# Altium PCB Archimajor.PcbDoc (part 5 of 13)
Units mil, origin at the board's own origin, x right, y up, seen from the top; angles counter-clockwise.
Board outline 7480.32 x 5511.81 mil, 6 copper layers (Top Layer, Top GND, Power Plane, Mid1, Bot GND, Bottom Layer), stack 69.913 mil thick; 1038 components, 682 nets, 3229 pads, 2870 vias.
Unrouted connection lines stored in the file: 97.
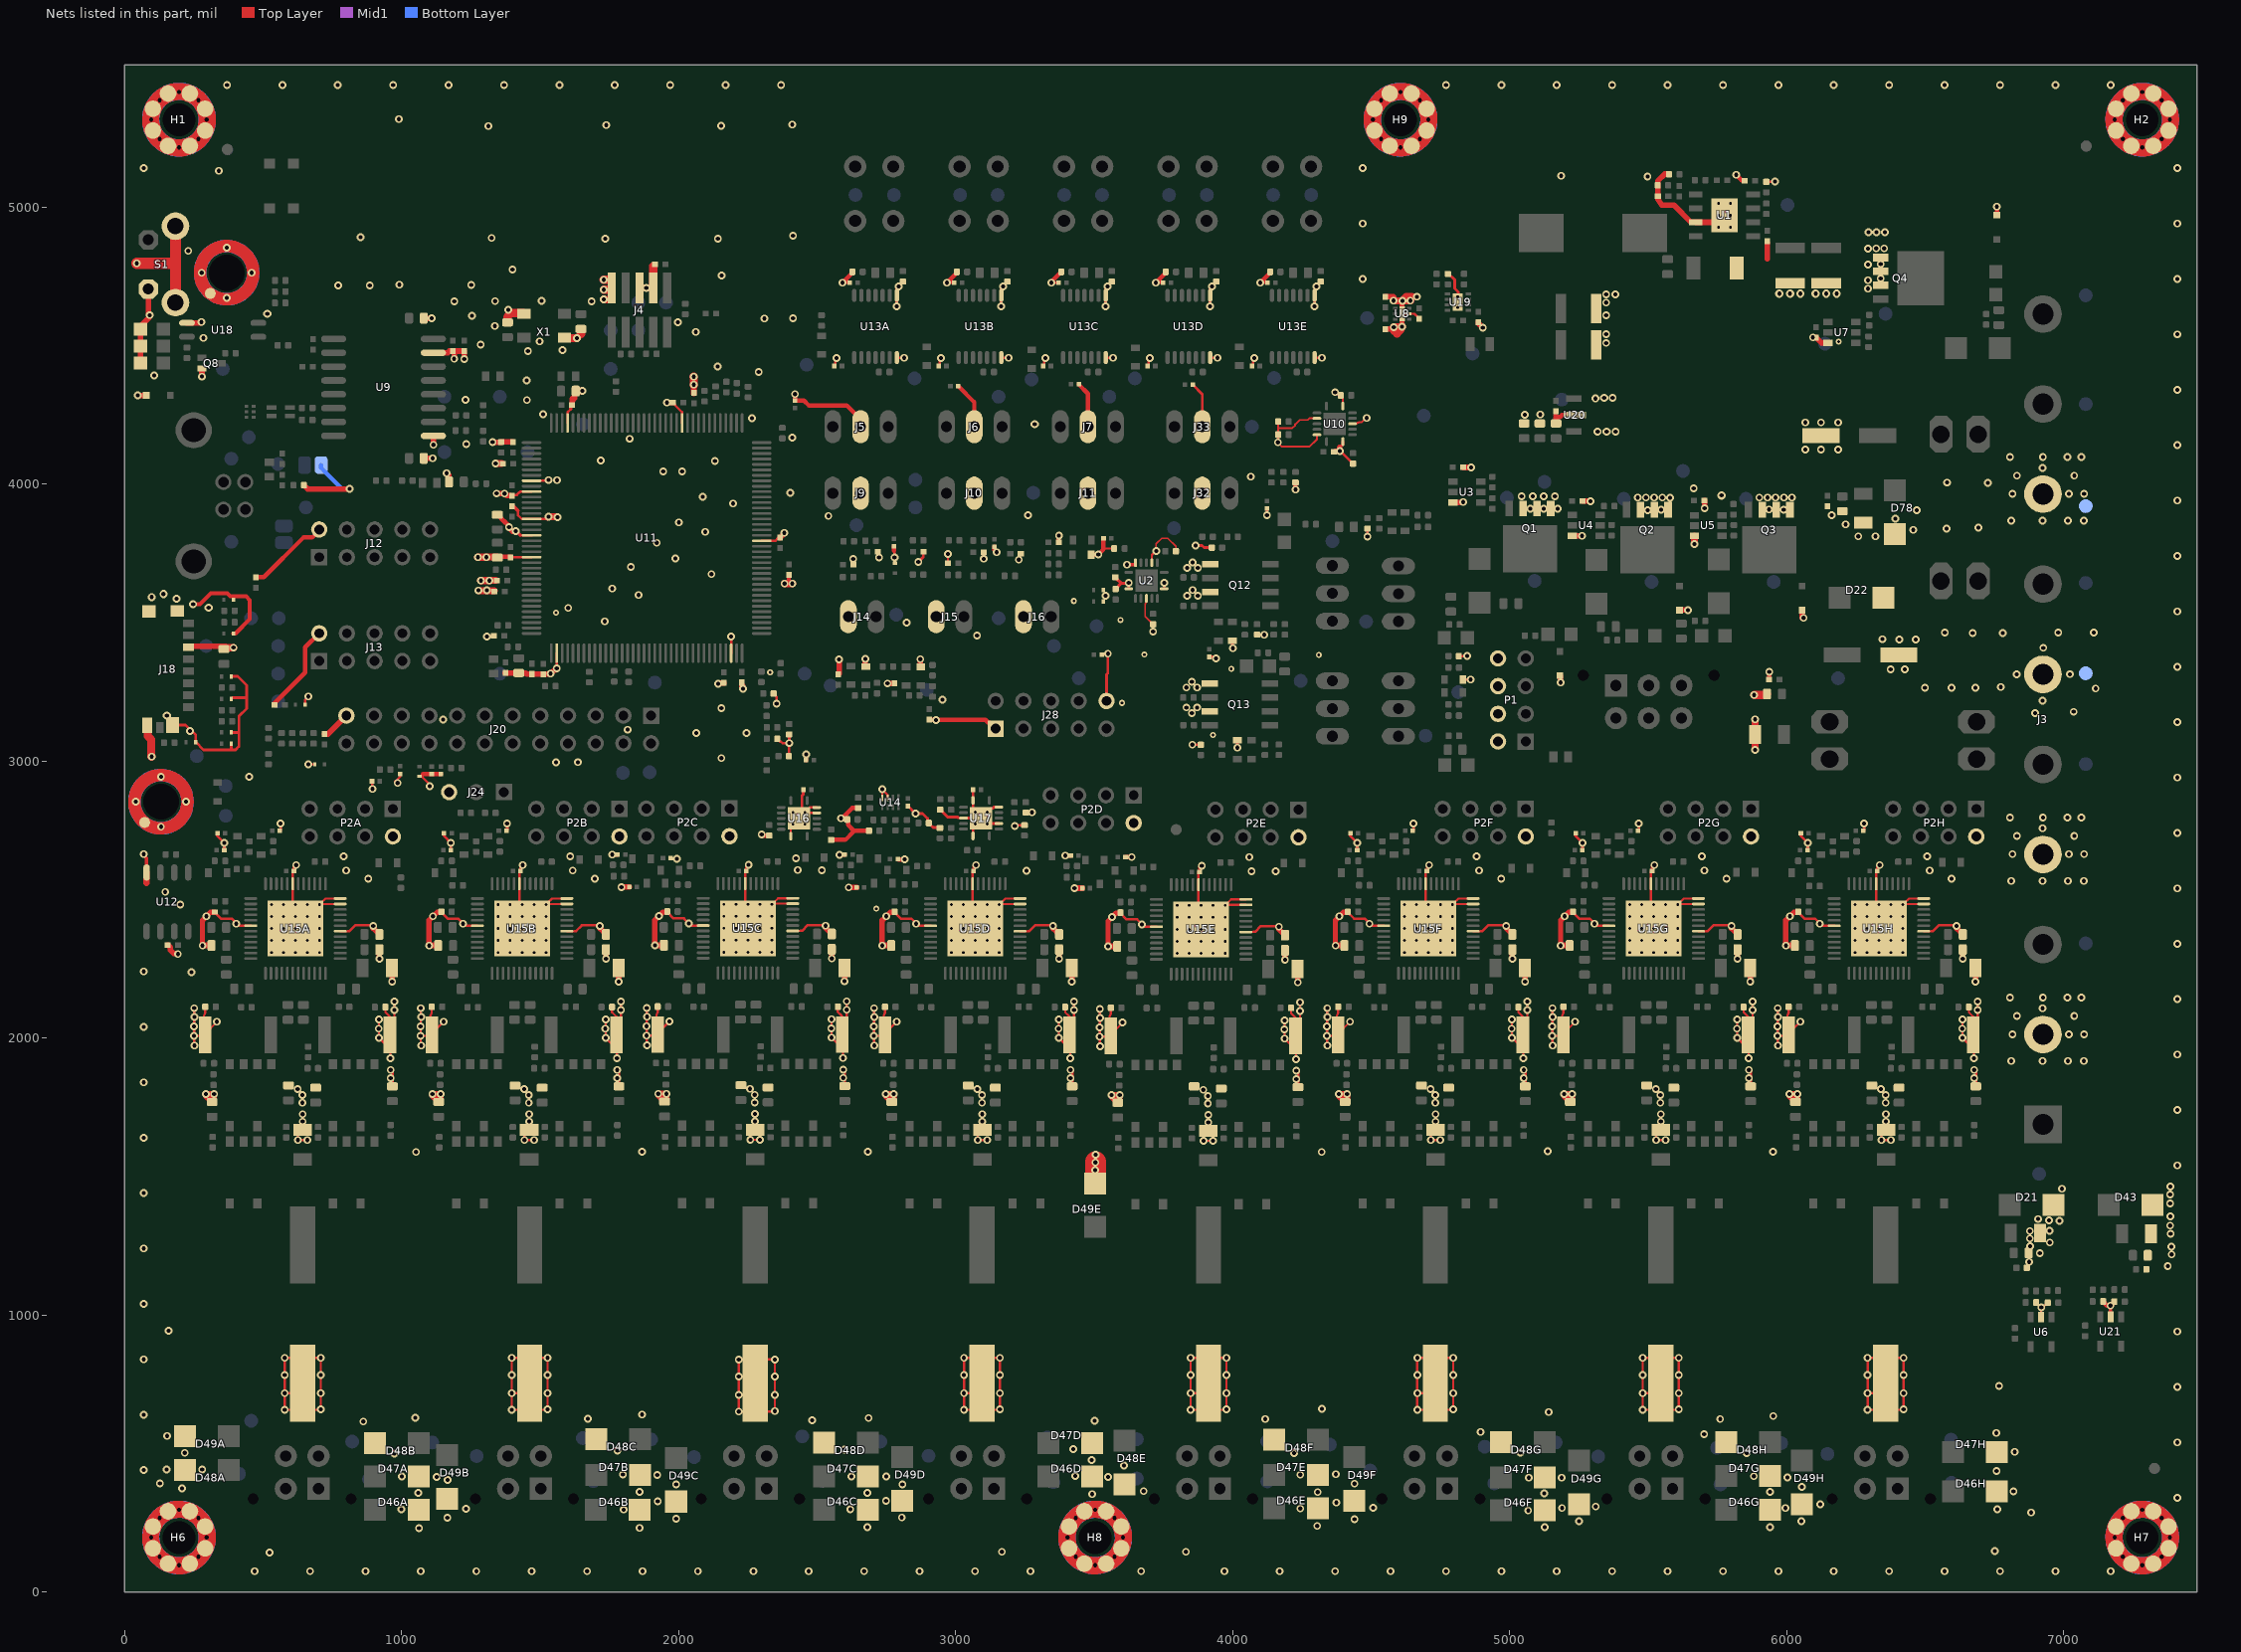
[diagram p9: the nets of this part, all layers, seen from the top]

## Via types
v1: diameter 28, hole 15, Top Layer to Bottom Layer, tented both sides, 2412 vias
v2: diameter 22, hole 10, Top Layer to Bottom Layer, 302 vias
v3: diameter 28, hole 15, Top Layer to Bottom Layer, 113 vias
v4: diameter 29, hole 15, Top Layer to Bottom Layer, tented both sides, 16 vias
v5: diameter 30, hole 15, Top Layer to Bottom Layer, 16 vias
v6: diameter 22, hole 10, Top Layer to Bottom Layer, tented both sides, 11 vias

## Nets (pads, with @x,y where several pads share a name; then routed paths per layer and width w, separated by ;. In a path a pad name is that pad's centre, name@x,y a point inside that pad or via, vN(x,y) a via of type N, cw(c..) or ccw(c..) an arc to the next point about the centre after c; other vN are vias at no path point) (continued)
GND: C2.1 C4.1 C5.1 C6.1 C7.1 C12A.2 C12B.2 C12C.2 C12D.2 C12E.2 C13.2 C14.1 C15.2 C16.1 C17.2 C18.2 C19.1 C20.1 C21.1 C22.2 C24.2 C25.2 C26.2 C27.2 C29.2 C30A.1 C30B.1 C30C.1 C30D.1 C30E.1 C31.1 C33.2 C34.2 C35.2 C36.2 C37.1 C38.1 C41.1 C42.1 C44.2 C45.2 C46.2 C49.2 C50.2 C51.2 C52.2 C53.1 C54.2 C55.1 C56.2 C57.1 C58A.1 C58B.1 C58C.1 C58D.1 C58E.1 C58F.1 C58G.1 C58H.1 C60A.1 C60B.1 C60C.1 C60D.1 C60E.1 C61A.1 C61B.1 C61C.1 C61D.1 C61E.1 C61F.1 C61G.1 C61H.1 C62A.1 C62B.1 C62C.1 C62D.1 C62E.1 C63.2 C64.1 C65.2 C66.1 C67.1 C68.2 C69.2 C70.1 C71.1 C72.1 C73.2 C74.2 C75.2 C76.2 C77.2 C78.1 C79.2 C80.2 C81.2 C82.2 C83.2 C84.2 C85.1 C86.2 C87.2 C88.2 C89.2 C90.2 C91.1 C92.1 C93.1 C94.2 C95.2 C96A.1 C96B.1 C96C.1 C96D.1 C96E.1 C96F.1 C96G.1 C96H.1 C97A.1 C97B.1 C97C.1 C97D.1 C97E.1 C97F.1 C97G.1 C97H.1 C100.1 C101.1 C102.1 C103.2 C104.1 C105.1 C106.1 C121A.1 C121B.1 C121C.1 C121D.1 C121E.1 C121F.1 C121G.1 C121H.1 C122A.1 C122B.1 C122C.1 C122D.1 C122E.1 C122F.1 C122G.1 C122H.1 C123A.1 C123B.1 C123C.1 C123D.1 C123E.1 C123F.1 C123G.1 C123H.1 C125A.1 C125B.1 C125C.1 C125D.1 C125E.1 C125F.1 C125G.1 C125H.1 C131A.1 C131B.1 C131C.1 C131D.1 C131E.1 C131F.1 C131G.1 C131H.1 C132A.1 C132B.1 C132C.1 C132D.1 C132E.1 C132F.1 C132G.1 C132H.1 C149A.1 C149B.1 C149C.1 C149D.1 C149E.1 C149F.1 C149G.1 C149H.1 C151.1 C152A.2 C152B.2 C152C.2 C152D.2 C152E.2 C152F.2 C152G.2 C152H.2 C155.2 C156.2 C157.2 C158.2 C159.2 C160.2 C161.2 C162.2 C164.2 C165.1 C166.2 C167.1 C169.2 C171.1 C199.2 C200.1 C201.1 C202.2 C203.2 C204.1 C205.1 C206.1 C207.1 C208.1 C210.2 C212.2 C213.2 C214.2 C215.1 C216.2 C217.1 D1.A D2.A D4.A D10.A D11.A D14.A D21.A D22.A D23.C D24.C D25.C D26.C D29.A D37.A D39.A D42.A D43.A D44.A D45.A D46A.A D46B.A D46C.A D46D.A D46E.A D46F.A D46G.A D46H.A D47A.A D47B.A D47C.A D47D.A D47E.A D47F.A D47G.A D47H.A D48A.A D48B.A D48C.A D48D.A D48E.A D48F.A D48G.A D48H.A D49A.A D49B.A D49C.A D49D.A D49E.A D49F.A D49G.A D49H.A D52.A D56.A D57.A D64.A D65.A D66.A D67.A D68.A D69.A D71.A D72.A D73.A D78.A H1.1 H2.1 H3.1 H5.1 H6.1 H7.1 H8.1 H9.1 J3.2 J3.4 J3.6 J3.8 J4.3 J4.5 J4.9 J5.2 J6.2 J7.2 J9.2 J10.2 J11.2 J12.2 J13.2 J14.1 J15.1 J16.1 J18.6 J18.9 J18.10 J18.11 J18.13 J20.23 J24.3 J28.1 J28.10 J32.2 J33.2 JP2.1 P1.2 P1.4 P1.6 P1.8 P2A.2 P2B.2 P2C.2 P2D.2 P2E.2 P2F.2 P2G.2 P2H.2 Q1.1 Q1.2 Q1.3 Q2.1 Q2.2 Q2.3 Q3.1 Q3.2 Q3.3 Q4.1 Q4.2 Q4.3 Q8.2 Q12.1 Q12.3 Q13.1 Q13.3 R2.1 R5.1 R10.1 R29.1 R30.1 R39.1 R49.1 R54.1 R56.1 R58.1 R61.1 R66.1 R101.2 R119.1 R155.1 R158.1 R162A.1 R162B.1 R162C.1 R162D.1 R162E.1 R162F.1 R162G.1 R162H.1 R163A.2 R163B.2 R163C.2 R163D.2 R163E.2 R163F.2 R163G.2 R163H.2 R169A.1 R169B.1 R169C.1 R169D.1 R169E.1 R169F.1 R169G.1 R169H.1 R170A.2 R170B.2 R170C.2 R170D.2 R170E.2 R170F.2 R170G.2 R170H.2 R171.2 R182.2 R183.2 RV1.2 RV2.2 RV3.2 RV4.2 RV5A.2 RV5B.2 RV5C.2 RV5D.2 RV5E.2 RV5F.2 RV5G.2 RV5H.2 RV6A.2 RV6B.2 RV6C.2 RV6D.2 RV6E.2 RV6F.2 RV6G.2 RV6H.2 RV7A.2 RV7B.2 RV7C.2 RV7D.2 RV7E.2 RV7F.2 RV7G.2 RV7H.2 S1.2 S1.3 S1.4 TP51.1 TP55.1 U1.7 U1.9 U2.1 U2.4 U2.7 U2.10 U2.13 U3.3 U4.3 U5.3 U6.2 U7.3 U8.2 U8.7 U9.9 U9.15 U10.1 U10.4 U10.7 U10.10 U10.13 U11.12 U11.33 U11.44 U11.46 U11.51 U11.54 U11.58 U11.74 U11.106 U11.126 U12.4 U13A.1 U13A.14 U13B.1 U13B.14 U13C.1 U13C.14 U13D.1 U13D.14 U13E.1 U13E.14 U14.3 U14.4 U15A.6 U15A.11 U15A.12 U15A.19 U15A.30 U15A.49 U15B.6 U15B.11 U15B.12 U15B.19 U15B.30 U15B.49 U15C.6 U15C.11 U15C.12 U15C.19 U15C.30 U15C.49 U15D.6 U15D.11 U15D.12 U15D.19 U15D.30 U15D.49 U15E.6 U15E.11 U15E.12 U15E.19 U15E.30 U15E.49 U15F.6 U15F.11 U15F.12 U15F.19 U15F.30 U15F.49 U15G.6 U15G.11 U15G.12 U15G.19 U15G.30 U15G.49 U15H.6 U15H.11 U15H.12 U15H.19 U15H.30 U15H.49 U16.7 U16.12 U16.13 U16.15 U17.1 U17.4 U17.7 U17.10 U17.13 U17.15 U18.3 U19.9 U20.2 U21.2 X1.2 X1.4 | length 37337.2
  Top Layer w6: 3534.17,3763.9 3537.2,3766.93 R183.2@3572.46,3766.93 ; U2.4@3688.93,3586.91 3687.97,3585.94 3687.97,3571.18 3683.61,3566.83 3683.61,3522.29 3703.72,3502.18 3703.72,3501.94 3712.48,3493.18 R171.2@3712.72,3493.18 v1(3712.72,3466.9) ; v1(3724.12,3758.29) 3724.12,3783.8 3744.28,3803.96 3765.74,3803.96 3794.96,3774.74 3794.96,3757.59 R182.2@3795.29,3757.26
  Top Layer w7: U15A.6@778.83,2385.25 806,2385.25 806.59,2385.84 ; U15B.6@1596.75,2385.25 1623.91,2385.25 1624.5,2385.84 ; J4.9@1758.08,4706.9 J4.9@1759,4707.82 ; U15C.6@2412.02,2386.21 2439.18,2386.21 2439.78,2386.8 ; U15D.6@3232.57,2385.25 3259.74,2385.25 3260.33,2385.84 ; U15E.6@4047.85,2382.27 4075.01,2382.27 4075.6,2382.87 ; v1@4163.81,4146.01 v1(4163.81,4149.95) ; R30.1@4164.6,4223.77 4164.6,4201.61 ; U10.13@4304.56,4177.51 4304.56,4161.76 4277.02,4134.23 4177.17,4134.23 4164.6,4146.8 4164.6,4201.61 ; U10.10@4304.56,4236.57 4276.92,4236.57 4271.24,4230.88 4241.67,4230.88 4225.9,4215.11 4225.9,4211.9 4215.6,4201.61 4164.6,4201.61 ; U10.4@4432.51,4216.88 4447.12,4216.88 4451.53,4221.29 4454.53,4221.29 4455.41,4222.17 4465.62,4222.17 4482.57,4239.13 v1(4483.69,4238.01) ; U15F.6@4868.4,2385.25 4895.57,2385.25 4896.16,2385.84 ; U15G.6@5681.4,2385.25 5708.57,2385.25 5709.16,2385.84 ; U15H.6@6494.4,2385.25 6521.57,2385.25 6522.16,2385.84
  Top Layer w8: v1(251,2007.53) v1@252,2007.53 ; v1(252,2107.53) v1@252,2007.53 ; v1(253,1972.53) 252,1973.53 v1@252,2007.53 ; R170A.2@291.53,2112.22 291.53,2090.83 287,2081.53 R169A.1@291.83,2010.84 ; v1(334,2058.53) 291.83,2016.35 R169A.1@291.83,2010.84 ; v2(617.42,2395.09) v2(660.72,2438.4) v2(704.03,2481.71) U15A.49@706,2483.68 ; v1(643,1724.8) v1(643,1698.23) C61A.1@643,1667.68 625.98,1650.66 v1(625.98,1631.3) v1(660.43,1631.3) ; C152A.2@643.5,753.23 607.7,717.43 v1(578.55,717.43) ; D45.A@652.44,3203.2 652.44,3220.91 v1(664.25,3232.72) ; v1(664.25,2987.65) D44.A@686.89,2987.65 ; U15A.11@778.83,2483.68 U15A.49@706,2483.68 ; U15A.12@778.83,2503.36 725.68,2503.36 U15A.49@706,2483.68 ; RV1.2@893.7,2926.57 894.63,2925.65 894.63,2899.99 v3(895.55,2899.06) ; v1(919,2066.53) v1(919,2000.53) 960,1959.53 v1(960,1926.53) ; R163A.2@941.9,2111.53 941.9,2092.63 958.11,2076.42 R162A.1@958.11,2010.84 974,2026.73 v1(974,2100.53) v1(974,2131.53) ; C96A.1@967,1825.3 968,1826.3 v1@968,1884.53 ; v3@977.36,2925.59 994.96,2943.19 RV2.2@994.96,2953.2 ; v1(1068.91,2007.53) v1@1069.91,2007.53 ; v1(1069.91,2107.53) v1@1069.91,2007.53 ; v1(1070.91,1972.53) 1069.91,1973.53 v1@1069.91,2007.53 ; 1076.77,2951.18 1071.79,2946.2 1066.87,2946.2 D71.A@1064.96,2944.29 1066.87,2942.39 1074.74,2942.39 1108.27,2908.86 v1(1101.38,2908.86) ; R170B.2@1109.44,2112.22 1109.44,2090.83 1104.91,2081.53 R169B.1@1109.74,2010.84 ; v1(1151.91,2058.53) 1109.74,2016.35 R169B.1@1109.74,2010.84 ; v1(1460.91,1724.8) v1(1460.91,1698.23) C61B.1@1460.91,1667.68 1443.9,1650.66 v1(1443.9,1631.3) v1(1478.35,1631.3) ; C152B.2@1462.81,753.23 1427.01,717.43 v1(1397.87,717.43) ; v2(1521.94,2481.71) U15B.49@1523.91,2483.68 ; U15B.11@1596.75,2483.68 U15B.49@1523.91,2483.68 ; U15B.12@1596.75,2503.36 1543.6,2503.36 U15B.49@1523.91,2483.68 ; v1(1736.91,2066.53) v1(1736.91,2000.53) 1777.91,1959.53 v1(1777.91,1926.53) ; R163B.2@1759.81,2111.53 1759.81,2092.63 1776.02,2076.42 R162B.1@1776.02,2010.84 1791.91,2026.73 v1(1791.91,2100.53) v1(1791.91,2131.53) ; C96B.1@1784.91,1825.3 1785.91,1826.3 v1@1785.91,1884.53 ; v1@1882,4707.9 v1@1882.08,4707.82 ; v1(1884.18,2008.49) v1@1885.18,2008.49 ; v1(1885.18,2108.49) v1@1885.18,2008.49 ; v1(1886.18,1973.49) 1885.18,1974.49 v1@1885.18,2008.49 ; R170C.2@1924.71,2113.18 1924.71,2091.79 1920.18,2082.49 R169C.1@1925.01,2011.8 ; v1(1967.18,2059.49) 1925.01,2017.31 R169C.1@1925.01,2011.8 ; C45.2@1987,4284.86 C45.2@1987,4289.53 ; v1(2276.18,1725.76) v1(2276.18,1699.19) C61C.1@2276.18,1668.64 2259.17,1651.62 v1(2259.17,1632.26) v1(2293.62,1632.26) ; C152C.2@2282.51,747.23 2246.7,711.43 v1(2217.56,711.43) ; v2(2337.22,2482.67) U15C.49@2339.18,2484.64 ; C64.1@2343.22,3243.48 2343.22,3242.26 2354.05,3231.44 v3(2354.05,3207.06) ; R66.1@2356.22,3080.09 2356.22,3079.31 2363.19,3072.34 2363.97,3072.34 2366.63,3069.68 2369.74,3069.68 2375.07,3064.35 2398.92,3064.35 v1(2399.32,3064.35) ; U16.7@2405.23,2728.49 2405.23,2763.16 U16.15@2434.76,2792.69 2454.44,2812.38 U16.12@2498.96,2812.38 ; U15C.11@2412.02,2484.64 U15C.49@2339.18,2484.64 ; U15C.12@2412.02,2504.32 2358.87,2504.32 U15C.49@2339.18,2484.64 ; U16.15@2454.77,2812.38 2474.46,2832.06 U16.13@2498.96,2832.06 ; v1(2552.18,2067.49) v1(2552.18,2001.49) 2593.18,1960.49 v1(2593.18,1927.49) ; R163C.2@2575.08,2112.49 2575.08,2093.59 2587.89,2080.78 ; R162C.1@2588.27,1970.55 R162C.1@2589.27,1969.55 ; R162C.1@2591.29,2077.38 2587.89,2080.78 ; C96C.1@2600.18,1826.26 2601.18,1827.26 v1@2601.18,1885.49 ; v1(2607.18,2132.49) v1(2607.18,2101.49) 2607.18,2027.69 R162C.1@2591.29,2011.8 2587.89,2015.21 2587.89,2080.78 ; v1(2704.74,2007.53) v1@2705.74,2007.53 ; v1(2705.74,2107.53) v1@2705.74,2007.53 ; v1(2706.74,1972.53) 2705.74,1973.53 v1@2705.74,2007.53 ; v3@2724.07,3729.5 v3(2724.07,3734.67) ; U14.4@2734.98,2866.82 v1(2734.98,2898.03) 2754.66,2878.35 U14.3@2754.66,2866.82 ; R170D.2@2745.27,2112.22 2745.27,2090.83 2740.74,2081.53 R169D.1@2745.57,2010.84 ; 2777.83,3759.1 2780.79,3756.15 2779.68,3755.04 v4(2779.68,3734.71) 2779.68,3714.94 D1.A@2780.79,3713.83 ; v1(2787.74,2058.53) 2745.57,2016.35 R169D.1@2745.57,2010.84 ; C158.2@2972.14,3713.02 v3(2972.14,3747.05) ; C152D.2@3095.35,753.23 3059.55,717.43 v1(3030.41,717.43) ; v1(3096.74,1724.8) v1(3096.74,1698.23) C61D.1@3096.74,1667.68 3079.72,1650.66 v1(3079.72,1631.3) v1(3114.17,1631.3) ; v2(3157.77,2481.71) U15D.49@3159.74,2483.68 ; v1(3214.14,2765.17) 3217.06,2768.09 C89.2@3248.74,2768.09 ; U15D.11@3232.57,2483.68 U15D.49@3159.74,2483.68 ; U15D.12@3232.57,2503.36 3179.43,2503.36 U15D.49@3159.74,2483.68 ; v1(3372.74,2066.53) v1(3372.74,2000.53) 3413.74,1959.53 v1(3413.74,1926.53) ; R163D.2@3395.64,2111.53 3395.64,2092.63 3408.45,2079.82 ; R162D.1@3408.83,1969.59 R162D.1@3409.83,1968.59 ; R162D.1@3411.85,2076.42 3408.45,2079.82 ; C96D.1@3420.74,1825.3 3421.74,1826.3 v1@3421.74,1884.53 ; v1(3427.74,2131.53) v1(3427.74,2100.53) 3427.74,2026.73 R162D.1@3411.85,2010.84 3408.45,2014.25 3408.45,2079.82 ; v1(3520.01,2004.55) v1@3521.01,2004.55 ; v1(3521.01,2104.55) v1@3521.01,2004.55 ; v1(3522.01,1969.55) 3521.01,1970.55 v1@3521.01,2004.55 ; R170E.2@3560.54,2109.24 3560.54,2087.85 3556.01,2078.55 R169E.1@3560.84,2007.87 ; v1(3603.01,2055.55) 3560.84,2013.38 R169E.1@3560.84,2007.87 ; U2.1@3624.73,3621.58 3624.73,3641.26 3624.95,3641.49 v1(3624.95,3643.23) ; U2.10@3708.61,3715.31 3708.61,3743.65 3723.25,3758.29 v1(3724.12,3758.29) ; v1(3752.91,3643.23) 3753.13,3643.01 U2.7@3753.13,3621.58 ; v1(3912.01,1721.83) v1(3912.01,1695.25) C61E.1@3912.01,1664.7 3895,1647.68 v1(3895,1628.32) v1(3929.44,1628.32) ; C152E.2@3913.02,753.23 3877.22,717.43 v1(3848.08,717.43) ; v2(3973.04,2478.73) U15E.49@3975.01,2480.7 ; U15E.11@4047.85,2480.7 U15E.49@3975.01,2480.7 ; U15E.12@4047.85,2500.39 3994.7,2500.39 U15E.49@3975.01,2480.7 ; v1(4188.01,2063.55) v1(4188.01,1997.55) 4229.01,1956.55 v1(4229.01,1923.55) ; R163E.2@4210.91,2108.55 4210.91,2089.65 4223.72,2076.84 ; R162E.1@4224.1,1966.61 R162E.1@4225.1,1965.61 ; R162E.1@4227.12,2073.44 4223.72,2076.84 ; C96E.1@4236.01,1822.32 4237.01,1823.32 v1@4237.01,1881.55 ; v1(4243.01,2128.55) v1(4243.01,2097.55) 4243.01,2023.76 R162E.1@4227.12,2007.87 4223.72,2011.27 4223.72,2076.84 ; v1(4340.57,2007.53) v1@4341.57,2007.53 ; v1(4341.57,2107.53) v1@4341.57,2007.53 ; v1(4342.57,1972.53) 4341.57,1973.53 v1@4341.57,2007.53 ; R170F.2@4381.09,2112.22 4381.09,2090.83 4376.57,2081.53 R169F.1@4381.39,2010.84 ; R29.1@4390.15,4319.79 4390.15,4318.58 4398.06,4310.66 U10.7@4398.06,4280.86 ; v1(4423.57,2058.53) 4381.39,2016.35 R169F.1@4381.39,2010.84 ; v1(4486.92,3809.41) C156.2@4486.92,3838.95 ; U8.2@4637.86,4614.39 4656.22,4614.39 C34.2@4673.87,4596.74 ; C152F.2@4731.48,753.23 4695.68,717.43 v1(4666.53,717.43) ; v1(4732.57,1724.8) v1(4732.57,1698.23) C61F.1@4732.57,1667.68 4715.55,1650.66 v1(4715.55,1631.3) v1(4750,1631.3) ; v2(4793.6,2481.71) U15F.49@4795.57,2483.68 ; C213.2@4816.65,3378.32 4845.97,3378.32 v1(4846.68,3379.03) ; D57.A@4831.41,3293.68 v1(4858.83,3293.68) ; v1@4831.51,3933.5 v1(4832.49,3934.48) ; v1@4859.07,4059.48 v1(4861.04,4059.48) ; U15F.11@4868.4,2483.68 U15F.49@4795.57,2483.68 ; U15F.12@4868.4,2503.36 4815.25,2503.36 U15F.49@4795.57,2483.68 ; v1(5008.57,2066.53) v1(5008.57,2000.53) 5049.57,1959.53 v1(5049.57,1926.53) ; R163F.2@5031.46,2111.53 5031.46,2092.63 5047.68,2076.42 R162F.1@5047.68,2010.84 5063.57,2026.73 v1(5063.57,2100.53) v1(5063.57,2131.53) ; C96F.1@5056.57,1825.3 5057.57,1826.3 v1@5057.57,1884.53 ; v1(5153.57,2007.53) v1@5154.57,2007.53 ; v1(5154.57,2107.53) v1@5154.57,2007.53 ; v1(5155.57,1972.53) 5154.57,1973.53 v1@5154.57,2007.53 ; R170G.2@5194.09,2112.22 5194.09,2090.83 5189.57,2081.53 R169G.1@5194.39,2010.84 ; U4.3@5226.05,3812.75 U4.3@5226.37,3812.75 ; v1(5236.57,2058.53) 5194.39,2016.35 R169G.1@5194.39,2010.84 ; v1(5545.57,1724.8) v1(5545.57,1698.23) C61G.1@5545.57,1667.68 5528.55,1650.66 v1(5528.55,1631.3) v1(5563,1631.3) ; C152G.2@5545.64,753.23 5509.84,717.43 v1(5480.7,717.43) ; v2(5606.6,2481.71) U15G.49@5608.57,2483.68 ; U5.3@5666.22,3812.6 U5.3@5666.72,3812.1 ; v1@5666.72,3781.7 5666.92,3781.5 v1(5666.92,3783.5) ; U15G.11@5681.4,2483.68 U15G.49@5608.57,2483.68 ; U15G.12@5681.4,2503.36 5628.25,2503.36 U15G.49@5608.57,2483.68 ; v1(5703.92,3912.5) 5703.92,3913.9 v1@5703.62,3914.2 ; v1(5821.57,2066.53) v1(5821.57,2000.53) 5862.57,1959.53 v1(5862.57,1926.53) ; R163G.2@5844.46,2111.53 5844.46,2092.63 5860.68,2076.42 R162G.1@5860.68,2010.84 5876.57,2026.73 v1(5876.57,2100.53) v1(5876.57,2131.53) ; C96G.1@5869.57,1825.3 5870.57,1826.3 v1@5870.57,1884.53 ; R2.1@5926.35,5091.48 R2.1@5926.35,5090.61 5957.46,5090.61 v1(5958.31,5091.46) ; v1(5966.57,2007.53) v1@5967.57,2007.53 ; v1(5967.57,2107.53) v1@5967.57,2007.53 ; v1(5968.57,1972.53) 5967.57,1973.53 v1@5967.57,2007.53 ; R170H.2@6007.09,2112.22 6007.09,2090.83 6002.57,2081.53 R169H.1@6007.39,2010.84 ; v1(6049.57,2058.53) 6007.39,2016.35 R169H.1@6007.39,2010.84 ; C152H.2@6357.16,753.23 6321.35,717.43 v1(6292.21,717.43) ; v1(6358.57,1724.8) v1(6358.57,1698.23) C61H.1@6358.57,1667.68 6341.55,1650.66 v1(6341.55,1631.3) v1(6376,1631.3) ; v2(6419.6,2481.71) U15H.49@6421.57,2483.68 ; U15H.11@6494.4,2483.68 U15H.49@6421.57,2483.68 ; U15H.12@6494.4,2503.36 6441.25,2503.36 U15H.49@6421.57,2483.68 ; v1(6634.57,2066.53) v1(6634.57,2000.53) 6675.57,1959.53 v1(6675.57,1926.53) ; R163H.2@6657.46,2111.53 6657.46,2092.63 6673.68,2076.42 R162H.1@6673.68,2010.84 6689.57,2026.73 v1(6689.57,2100.53) v1(6689.57,2131.53) ; C96H.1@6682.57,1825.3 6683.57,1826.3 v1@6683.57,1884.53 ; R56.1@6900.55,1045.19 6900.55,1044.4 6918.36,1026.6 v1@6918.36,1026.55 ; U6.2@6918.36,992.34 v1@6918.36,1026.55 ; R58.1@6942.48,1044.2 6942.48,1043.42 6935.51,1036.45 6933.67,1036.45 6924.55,1027.33 v1(6919.14,1027.33) v1@6918.36,1026.55 ; v1@252,2007.53 288.51,2007.53 R169A.1@291.83,2010.84 ; v1(578.55,717.43) v1(578.55,657.35) 706.44,657.35 v1(708.44,659.35) v1(708.44,717.43) v1(708.44,783.37) v1(708.44,845.38) v1(578.55,845.38) v1(578.55,783.37) v1(578.55,717.43) ; v1@1069.91,2007.53 1106.43,2007.53 R169B.1@1109.74,2010.84 ; v1(1397.87,717.43) v1(1397.87,783.37) v1(1397.87,845.38) v1(1527.76,845.38) v1(1527.76,783.37) v1(1527.76,717.43) v1(1527.76,659.35) 1525.76,657.35 v1(1397.87,657.35) v1(1397.87,717.43) ; v1@1885.18,2008.49 1921.7,2008.49 R169C.1@1925.01,2011.8 ; v1(2217.56,711.43) v1(2217.56,651.35) 2345.45,651.35 v1(2347.45,653.35) v1(2347.45,711.43) v1(2347.45,777.37) v1(2347.45,839.38) v1(2217.56,839.38) v1(2217.56,777.37) v1(2217.56,711.43) ; v1@2705.74,2007.53 2742.25,2007.53 R169D.1@2745.57,2010.84 ; v1(3030.41,717.43) v1(3030.41,783.37) v1(3030.41,845.38) v1(3160.3,845.38) v1(3160.3,783.37) v1(3160.3,717.43) v1(3160.3,659.35) 3158.3,657.35 v1(3030.41,657.35) v1(3030.41,717.43) ; v1@3521.01,2004.55 3557.52,2004.55 R169E.1@3560.84,2007.87 ; v1(3848.08,717.43) v1(3848.08,783.37) v1(3848.08,845.38) v1(3977.97,845.38) v1(3977.97,783.37) v1(3977.97,717.43) v1(3977.97,659.35) 3975.97,657.35 v1(3848.08,657.35) v1(3848.08,717.43) ; v1@4341.57,2007.53 4378.08,2007.53 R169F.1@4381.39,2010.84 ; v1(4666.53,717.43) v1(4666.53,783.37) v1(4666.53,845.38) v1(4796.42,845.38) v1(4796.42,783.37) v1(4796.42,717.43) v1(4796.42,659.35) 4794.42,657.35 v1(4666.53,657.35) v1(4666.53,717.43) ; v1@5154.57,2007.53 5191.08,2007.53 R169G.1@5194.39,2010.84 ; v1(5480.7,717.43) v1(5480.7,657.35) 5608.59,657.35 v1(5610.59,659.35) v1(5610.59,717.43) v1(5610.59,783.37) v1(5610.59,845.38) v1(5480.7,845.38) v1(5480.7,783.37) v1(5480.7,717.43) ; v1@5703.62,3914.2 5702.92,3913.5 5702.92,3910.5 5703.62,3911.2 v1@5703.62,3914.2 ; v1@5967.57,2007.53 6004.08,2007.53 R169H.1@6007.39,2010.84 ; v1(6292.21,717.43) v1(6292.21,657.35) 6420.1,657.35 v1(6422.1,659.35) v1(6422.1,717.43) v1(6422.1,783.37) v1(6422.1,845.38) v1(6292.21,845.38) v1(6292.21,783.37) v1(6292.21,717.43)
  Top Layer w9: C132A.1@326.28,2453.76 326.28,2453.11 348.56,2430.82 386.61,2430.82 412.5,2404.94 U15A.30@456,2404.94 ; C149A.1@611.71,2602.38 C149A.1@611.71,2605.33 ; C149A.1@613.68,2607.3 C149A.1@611.71,2605.33 ; v2(617.42,2395.09) 607.57,2404.94 U15A.19@607.57,2556.51 607.57,2601.2 C149A.1@611.71,2605.33 ; v1(619.9,2624.19) 616.55,2624.19 611.71,2619.35 C149A.1@611.71,2605.33 ; 806.59,2385.84 812.5,2385.84 833.16,2406.51 896.02,2406.51 v1(898,2404.53) ; C132B.1@1144.19,2453.76 1144.19,2453.11 1166.48,2430.82 1204.52,2430.82 1230.41,2404.94 U15B.30@1273.91,2404.94 ; C63.2@1395,3737.53 1397.11,3735.42 1431.59,3735.42 1431.9,3735.73 U11.58@1469.65,3735.73 ; 1410,3960.53 1416,3960.53 1425,3969.53 ; 1421,3903.26 1421,3897.17 1421.34,3896.83 1421.34,3886.18 1434,3873.53 U11.51@1469.65,3873.53 v1@1526.29,3873.53 ; C149B.1@1429.62,2602.38 C149B.1@1429.62,2605.33 ; 1430,3971.95 U11.46@1469.65,3971.95 ; C149B.1@1431.59,2607.3 C149B.1@1429.62,2605.33 ; v2(1435.33,2395.09) 1425.49,2404.94 U15B.19@1425.49,2556.51 1425.49,2601.2 C149B.1@1429.62,2605.33 ; v1(1437.82,2624.19) 1434.46,2624.19 1429.62,2619.35 C149B.1@1429.62,2605.33 ; U11.44@1469.65,4011.32 v3@1528.79,4011.32 ; v3@1560.2,3336.72 U11.74@1560.2,3389.28 ; U11.33@1599.57,4219.98 1599.57,4258.9 1611.09,4270.42 ; 1624.5,2385.84 1630.41,2385.84 1651.08,2406.51 1713.93,2406.51 v1(1715.91,2404.53) ; C132C.1@1959.46,2454.72 1959.46,2454.07 1981.75,2431.78 2019.79,2431.78 2045.68,2405.9 U15C.30@2089.18,2405.9 ; C45.2@1987,4284.86 2012.95,4258.9 U11.12@2012.95,4219.98 ; U11.106@2190.12,3389.28 v3@2190.12,3444.65 ; C149C.1@2244.89,2603.34 C149C.1@2244.89,2606.29 ; C149C.1@2246.86,2608.26 C149C.1@2244.89,2606.29 ; v2(2250.6,2396.05) 2240.76,2405.9 U15C.19@2240.76,2557.47 2240.76,2602.16 C149C.1@2244.89,2606.29 ; v1(2253.09,2625.15) 2249.73,2625.15 2244.89,2620.31 C149C.1@2244.89,2606.29 ; U11.126@2300.35,3794.79 2349.49,3794.79 C56.2@2360.93,3806.23 ; 2439.78,2386.8 2445.68,2386.8 2466.35,2407.47 2529.2,2407.47 v1(2531.18,2405.49) ; C132D.1@2780.02,2453.76 2780.02,2453.11 2802.3,2430.82 2840.35,2430.82 2866.24,2404.94 U15D.30@2909.74,2404.94 ; C149D.1@3065.45,2602.38 C149D.1@3065.45,2605.33 ; C149D.1@3067.42,2607.3 C149D.1@3065.45,2605.33 ; v2(3071.16,2395.09) 3061.31,2404.94 U15D.19@3061.31,2556.51 3061.31,2601.2 C149D.1@3065.45,2605.33 ; v1(3073.64,2624.19) 3070.29,2624.19 3065.45,2619.35 C149D.1@3065.45,2605.33 ; 3260.33,2385.84 3266.24,2385.84 3286.91,2406.51 3349.76,2406.51 v1(3351.74,2404.53) ; C132E.1@3595.29,2450.78 3595.29,2450.13 3617.57,2427.85 3655.62,2427.85 3681.51,2401.96 U15E.30@3725.01,2401.96 ; C149E.1@3880.72,2599.4 C149E.1@3880.72,2602.35 ; C149E.1@3882.69,2604.32 C149E.1@3880.72,2602.35 ; v2(3886.43,2392.12) 3876.59,2401.96 U15E.19@3876.59,2553.53 3876.59,2598.22 C149E.1@3880.72,2602.35 ; v1(3888.91,2621.22) 3885.56,2621.22 3880.72,2616.38 C149E.1@3880.72,2602.35 ; 4075.6,2382.87 4081.51,2382.87 4102.18,2403.53 4165.03,2403.53 v1(4167.01,2401.55) ; C132F.1@4415.84,2453.76 4415.84,2453.11 4438.13,2430.82 4476.18,2430.82 4502.06,2404.94 U15F.30@4545.57,2404.94 ; C149F.1@4701.28,2602.38 C149F.1@4701.28,2605.33 ; C149F.1@4703.24,2607.3 C149F.1@4701.28,2605.33 ; v2(4706.98,2395.09) 4697.14,2404.94 U15F.19@4697.14,2556.51 4697.14,2601.2 C149F.1@4701.28,2605.33 ; v1(4709.47,2624.19) 4706.11,2624.19 4701.28,2619.35 C149F.1@4701.28,2605.33 ; 4896.16,2385.84 4902.06,2385.84 4922.73,2406.51 4985.58,2406.51 v1(4987.57,2404.53) ; C132G.1@5228.84,2453.76 5228.84,2453.11 5251.13,2430.82 5289.18,2430.82 5315.06,2404.94 U15G.30@5358.57,2404.94 ; C149G.1@5514.28,2602.38 C149G.1@5514.28,2605.33 ; C149G.1@5516.24,2607.3 C149G.1@5514.28,2605.33 ; v2(5519.98,2395.09) 5510.14,2404.94 U15G.19@5510.14,2556.51 5510.14,2601.2 C149G.1@5514.28,2605.33 ; v1(5522.47,2624.19) 5519.11,2624.19 5514.28,2619.35 C149G.1@5514.28,2605.33 ; 5709.16,2385.84 5715.06,2385.84 5735.73,2406.51 5798.58,2406.51 v1(5800.57,2404.53) ; C132H.1@6041.84,2453.76 6041.84,2453.11 6064.13,2430.82 6102.18,2430.82 6128.06,2404.94 U15H.30@6171.57,2404.94 ; C149H.1@6327.28,2602.38 C149H.1@6327.28,2605.33 ; C149H.1@6329.24,2607.3 C149H.1@6327.28,2605.33 ; v2(6332.98,2395.09) 6323.14,2404.94 U15H.19@6323.14,2556.51 6323.14,2601.2 C149H.1@6327.28,2605.33 ; v1(6335.47,2624.19) 6332.11,2624.19 6327.28,2619.35 C149H.1@6327.28,2605.33 ; 6522.16,2385.84 6528.06,2385.84 6548.73,2406.51 6611.58,2406.51 v1(6613.57,2404.53)